# Altium PCB klpfly1.9.5.PcbDoc (part 1 of 2)
Units mil, origin at the board's own origin, x right, y up, seen from the top; angles counter-clockwise.
Board outline 1496.06 x 1496.06 mil, 4 copper layers (Top Layer, POWER2, GND3, Bottom Layer), stack 23.756 mil thick; 120 components, 91 nets, 502 pads, 278 vias.
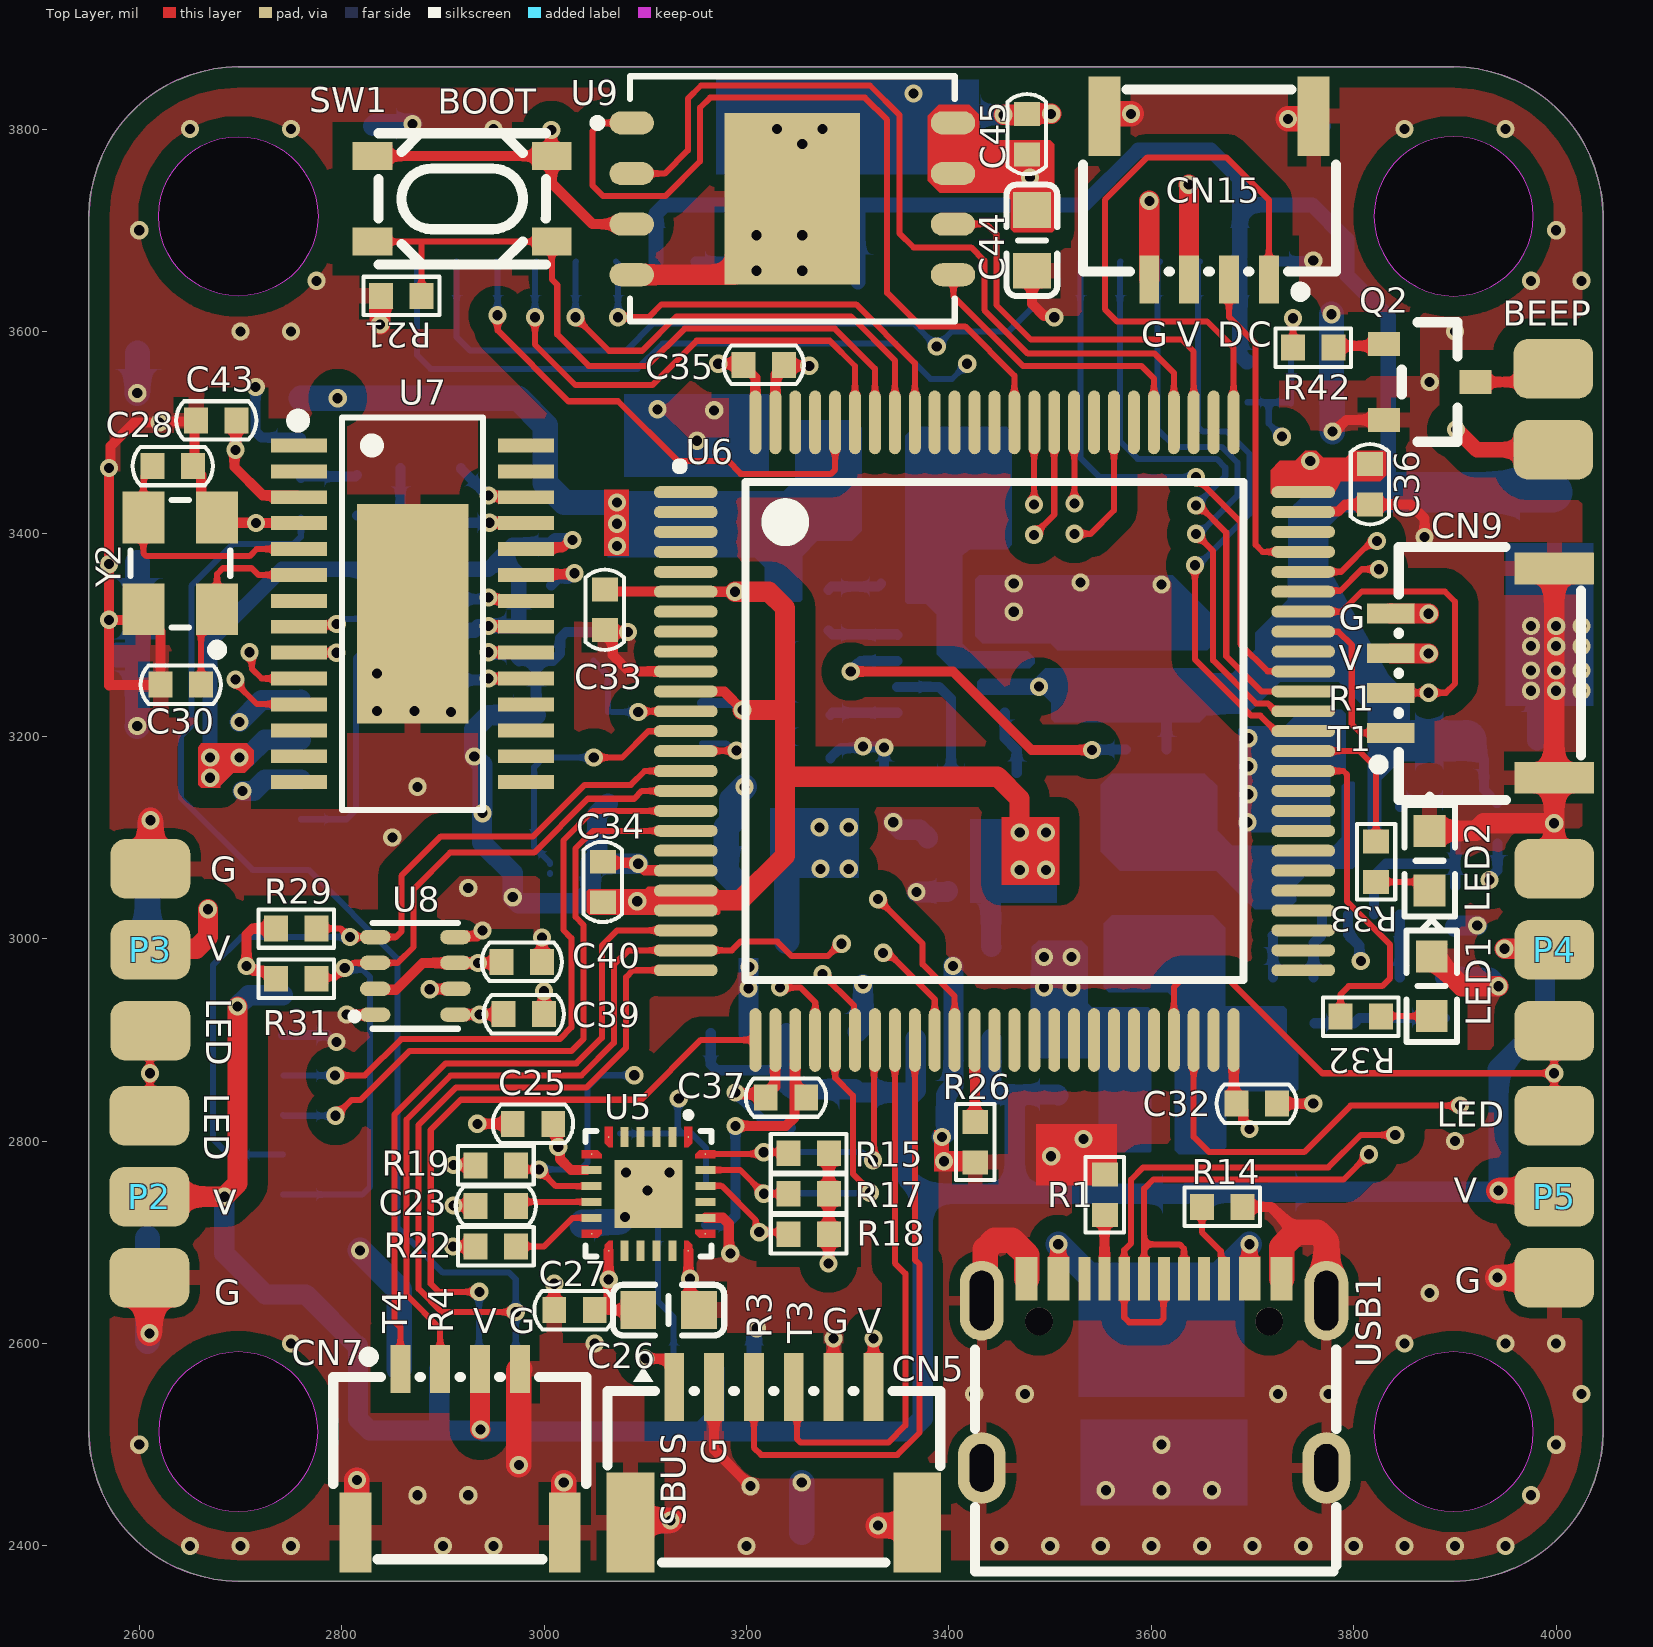
[diagram p0: Top Layer view]
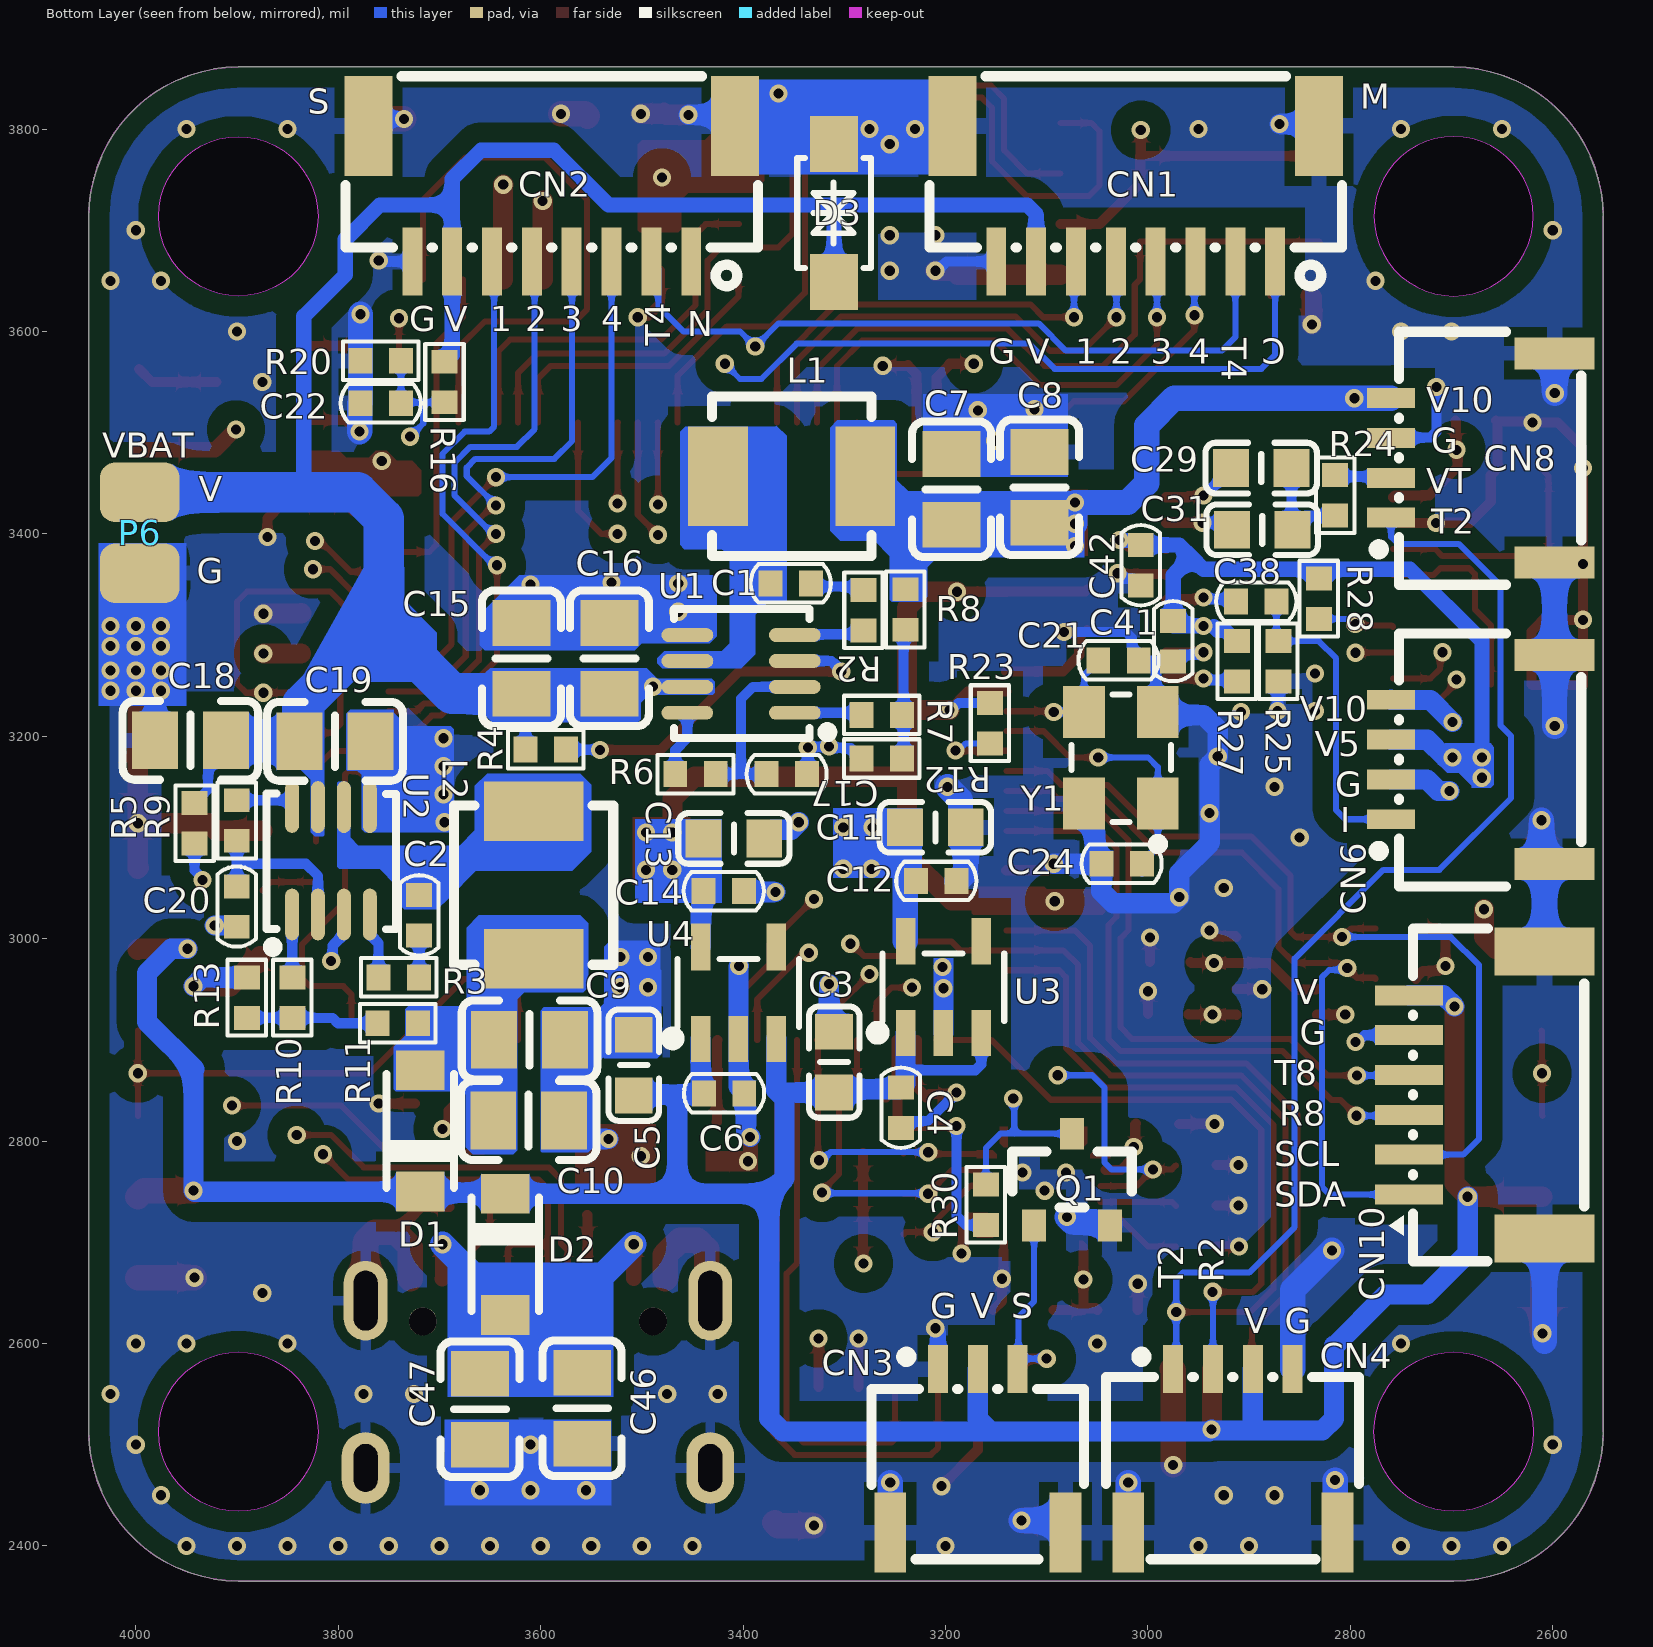
[diagram p1: Bottom Layer view, seen from below]
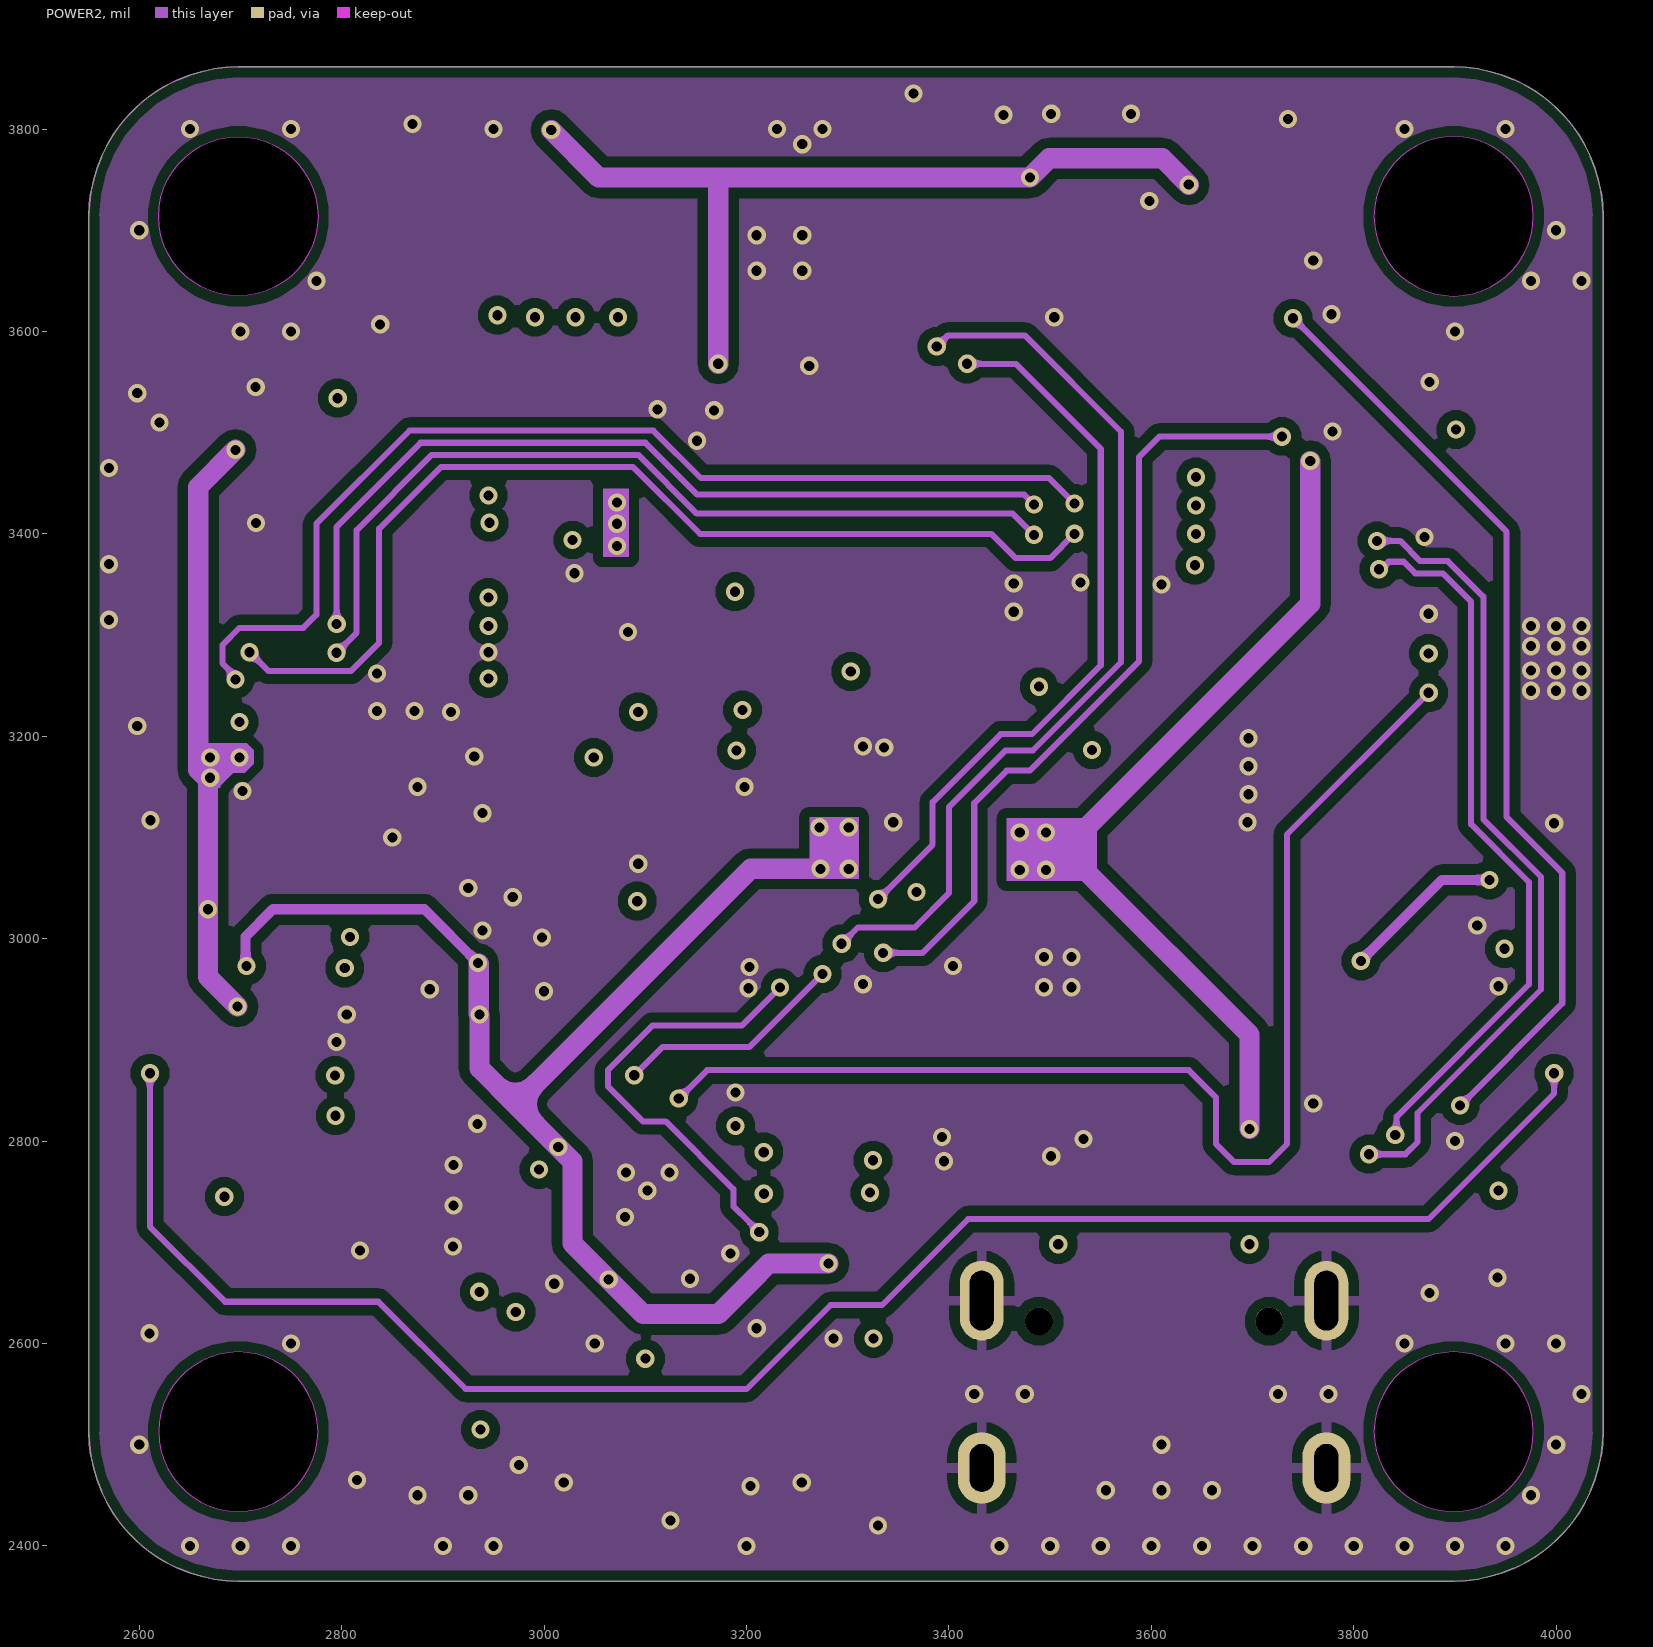
[diagram p2: POWER2]
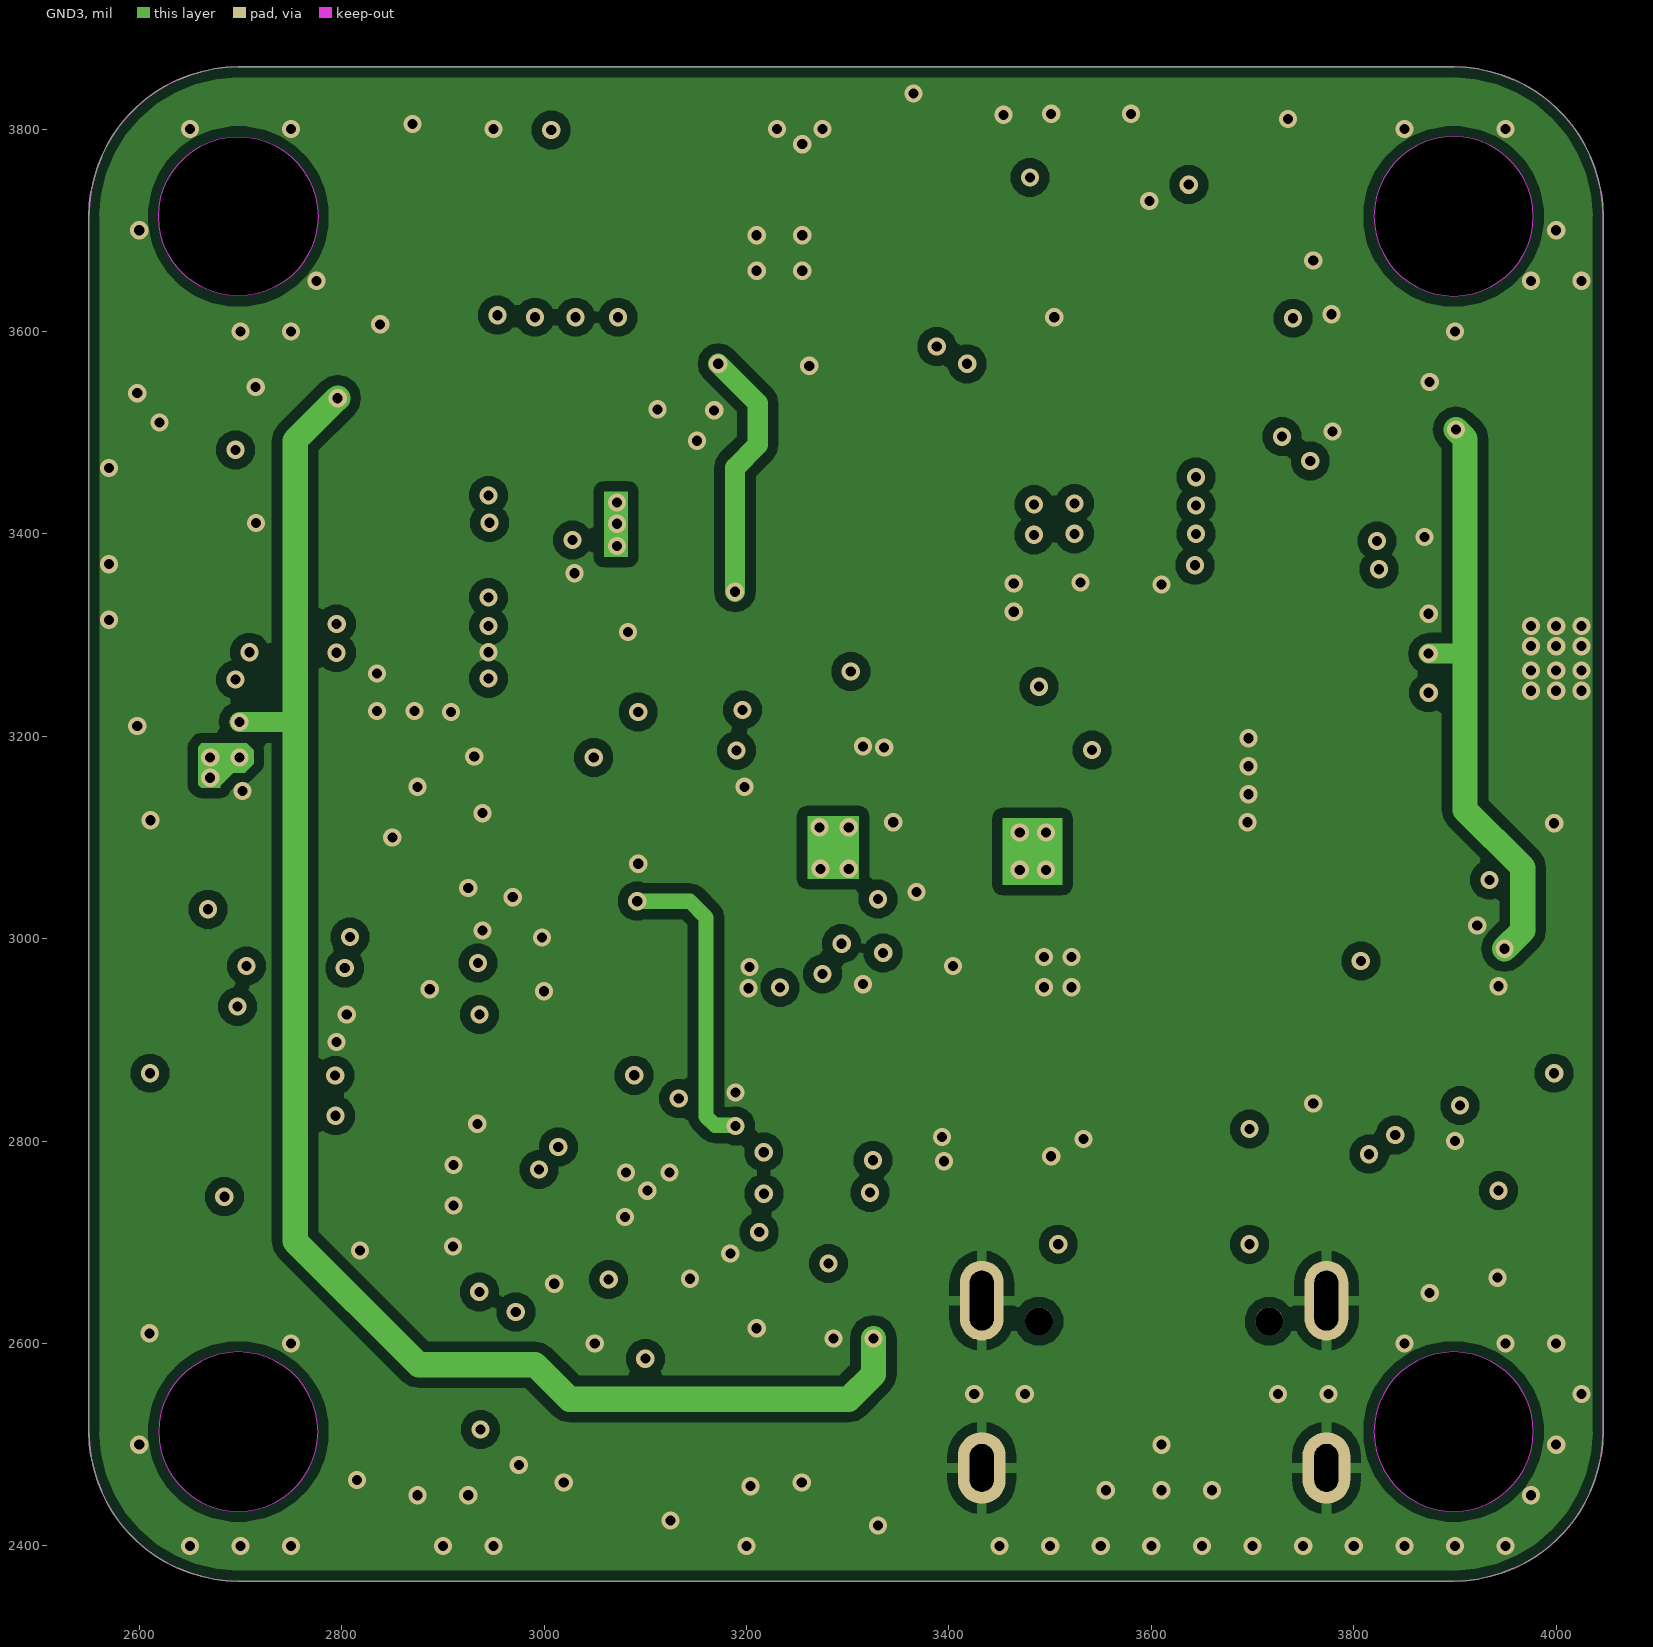
[diagram p3: GND3]
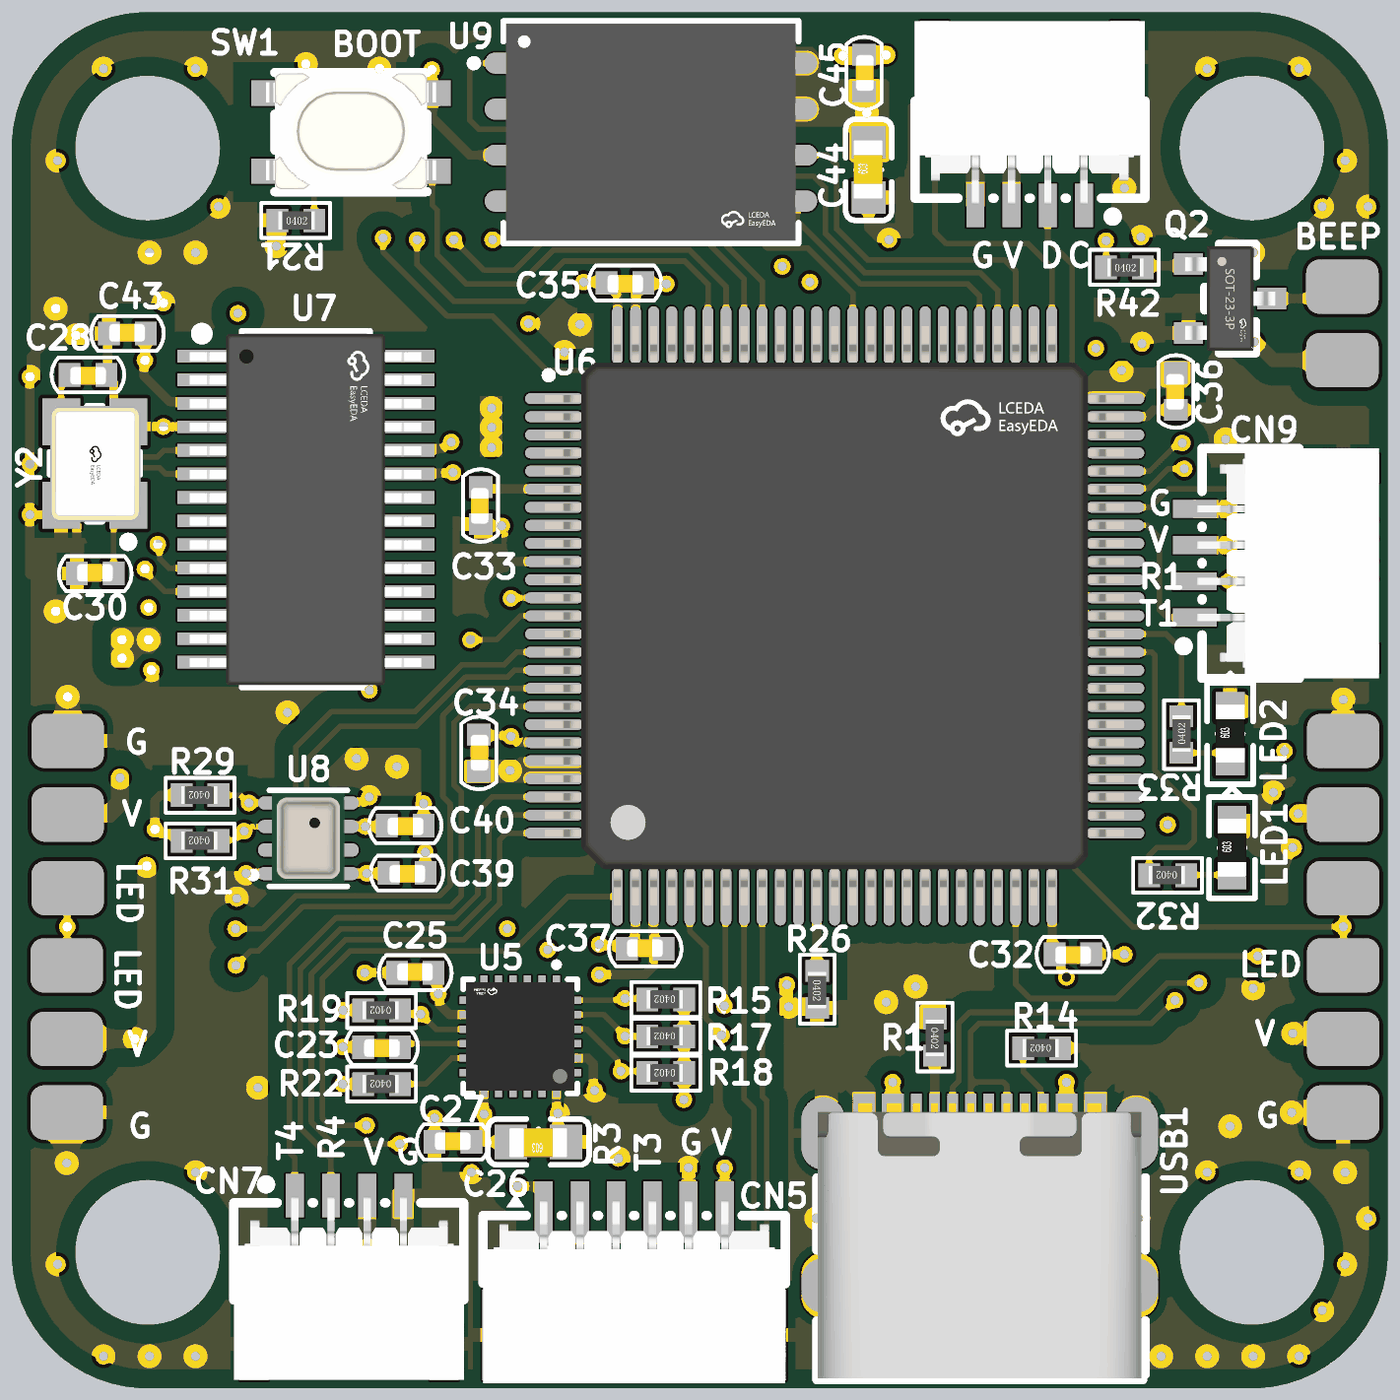
[diagram p5: 3D render of the assembled board from above, using the file's embedded part models]
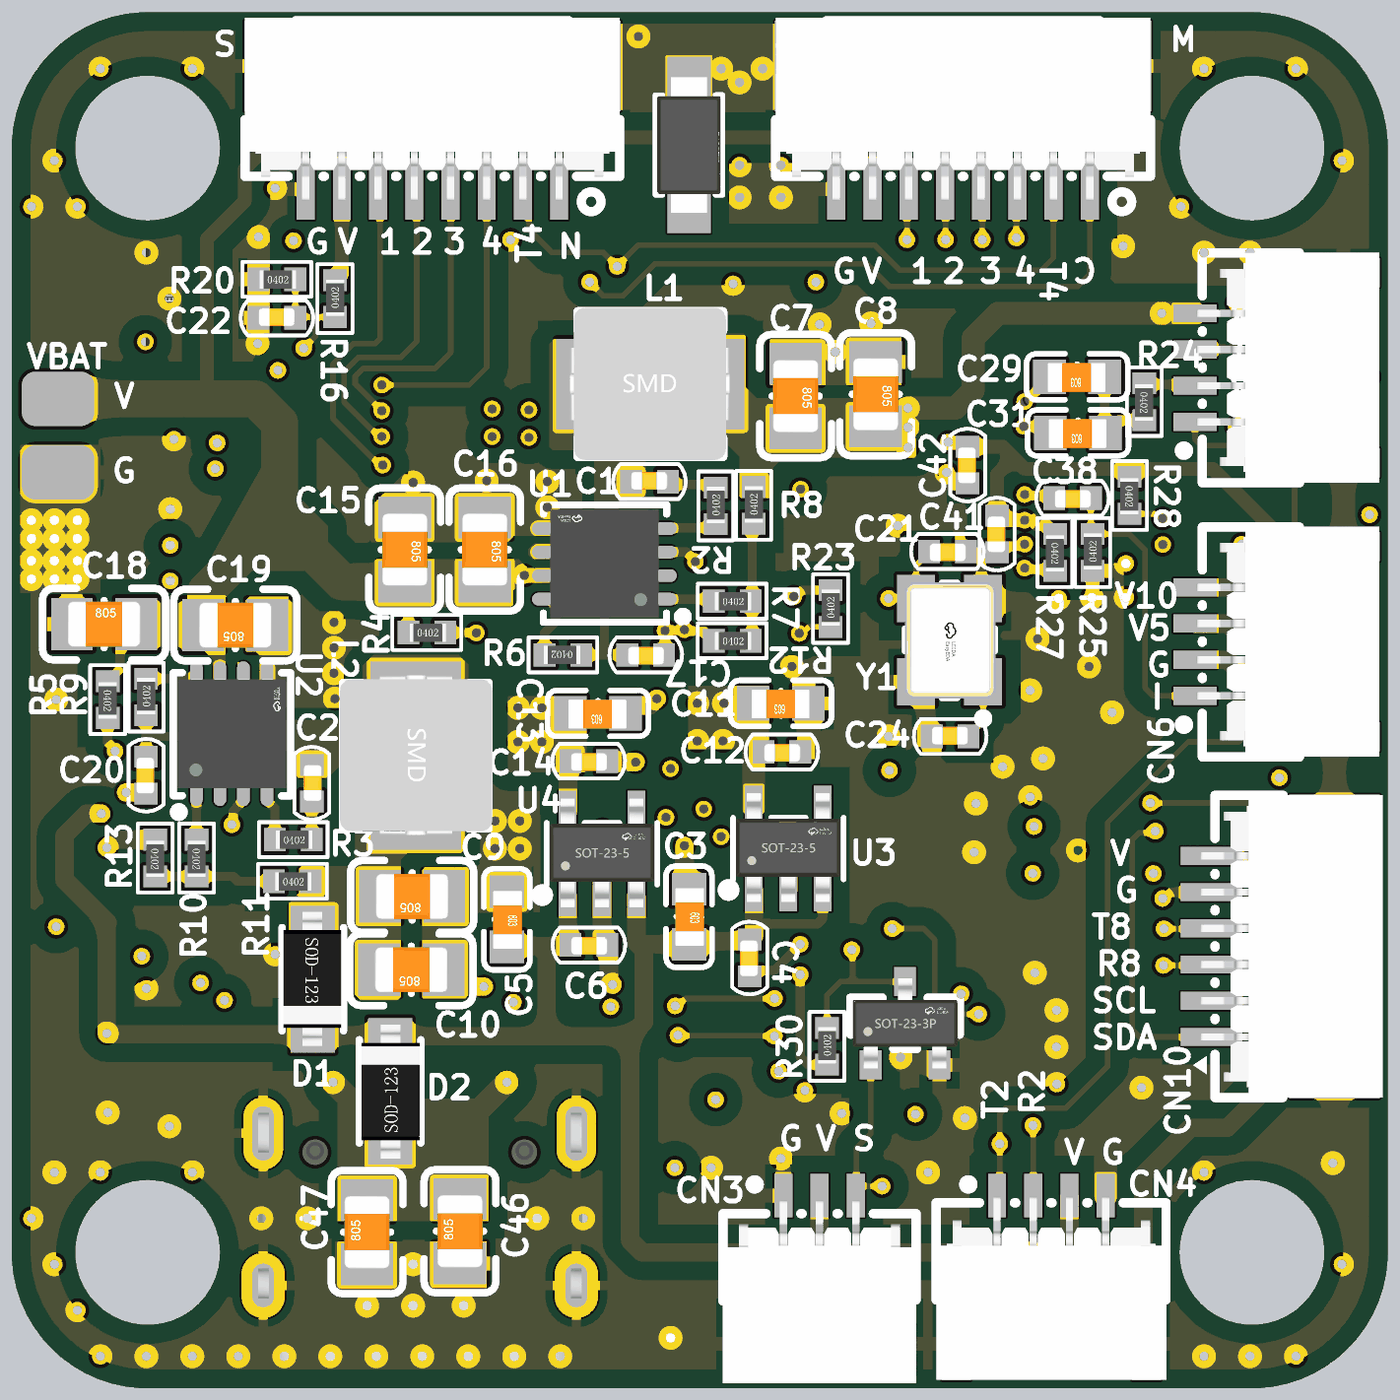
[diagram p6: 3D render of the assembled board from below, using the file's embedded part models]

## Layer stack, top to bottom
Top Solder: solder mask 0.4, Solder Resist, Dk 3.5
Top Layer: signal copper 1.4
Dielectric 2: prepreg 2.8, PP-006, Dk 4.1
POWER2: signal copper 1.378
Dielectric 1: dielectric 12.6, FR-4, Dk 4.8
GND3: signal copper 1.378
Dielectric 3: prepreg 2.8, PP-006, Dk 4.1
Bottom Layer: signal copper 1.4
Bottom Solder: solder mask 0.4, Solder Resist, Dk 3.5

## Board outline
2550.25,2512.89 ccw(c2697.89,2512.89) 2697.89,2365.25 3898.68,2365.25 ccw(c3898.68,2512.89) 4046.31,2512.89 4046.31,3713.68 ccw(c3898.68,3713.68) 3898.68,3861.31 2697.89,3861.31 ccw(c2697.89,3713.68) 2550.25,3713.68
cut-out: 2697.89,3634.93 cw(c2697.89,3713.68) 2619.15,3713.68 cw(c2697.89,3713.68) 2697.89,3792.42 cw(c2697.89,3713.68) 2776.63,3713.68 cw(c2697.89,3713.68)
cut-out: 3819.93,3713.68 ccw(c3898.68,3713.68) 3898.68,3634.93 ccw(c3898.68,3713.68) 3977.42,3713.68 ccw(c3898.68,3713.68) 3898.68,3792.42 ccw(c3898.68,3713.68)
cut-out: 3819.93,2512.89 ccw(c3898.68,2512.89) 3898.68,2434.15 ccw(c3898.68,2512.89) 3977.42,2512.89 ccw(c3898.68,2512.89) 3898.68,2591.63 ccw(c3898.68,2512.89)
cut-out: 2619.15,2512.89 ccw(c2697.89,2512.89) 2697.89,2434.15 ccw(c2697.89,2512.89) 2776.63,2512.89 ccw(c2697.89,2512.89) 2697.89,2591.63 ccw(c2697.89,2512.89)
